# Altium PCB 58.13.0094_400_Rev00.PcbDoc (part 2 of 3)
Units mil, origin at the board's own origin, x right, y up, seen from the top; angles counter-clockwise.
Board outline 3149.45 x 3937.01 mil, 2 copper layers (Top Layer, Bottom Layer), stack 64.392 mil thick; 109 components, 100 nets, 482 pads, 698 vias.
Unrouted connection lines stored in the file: 3.
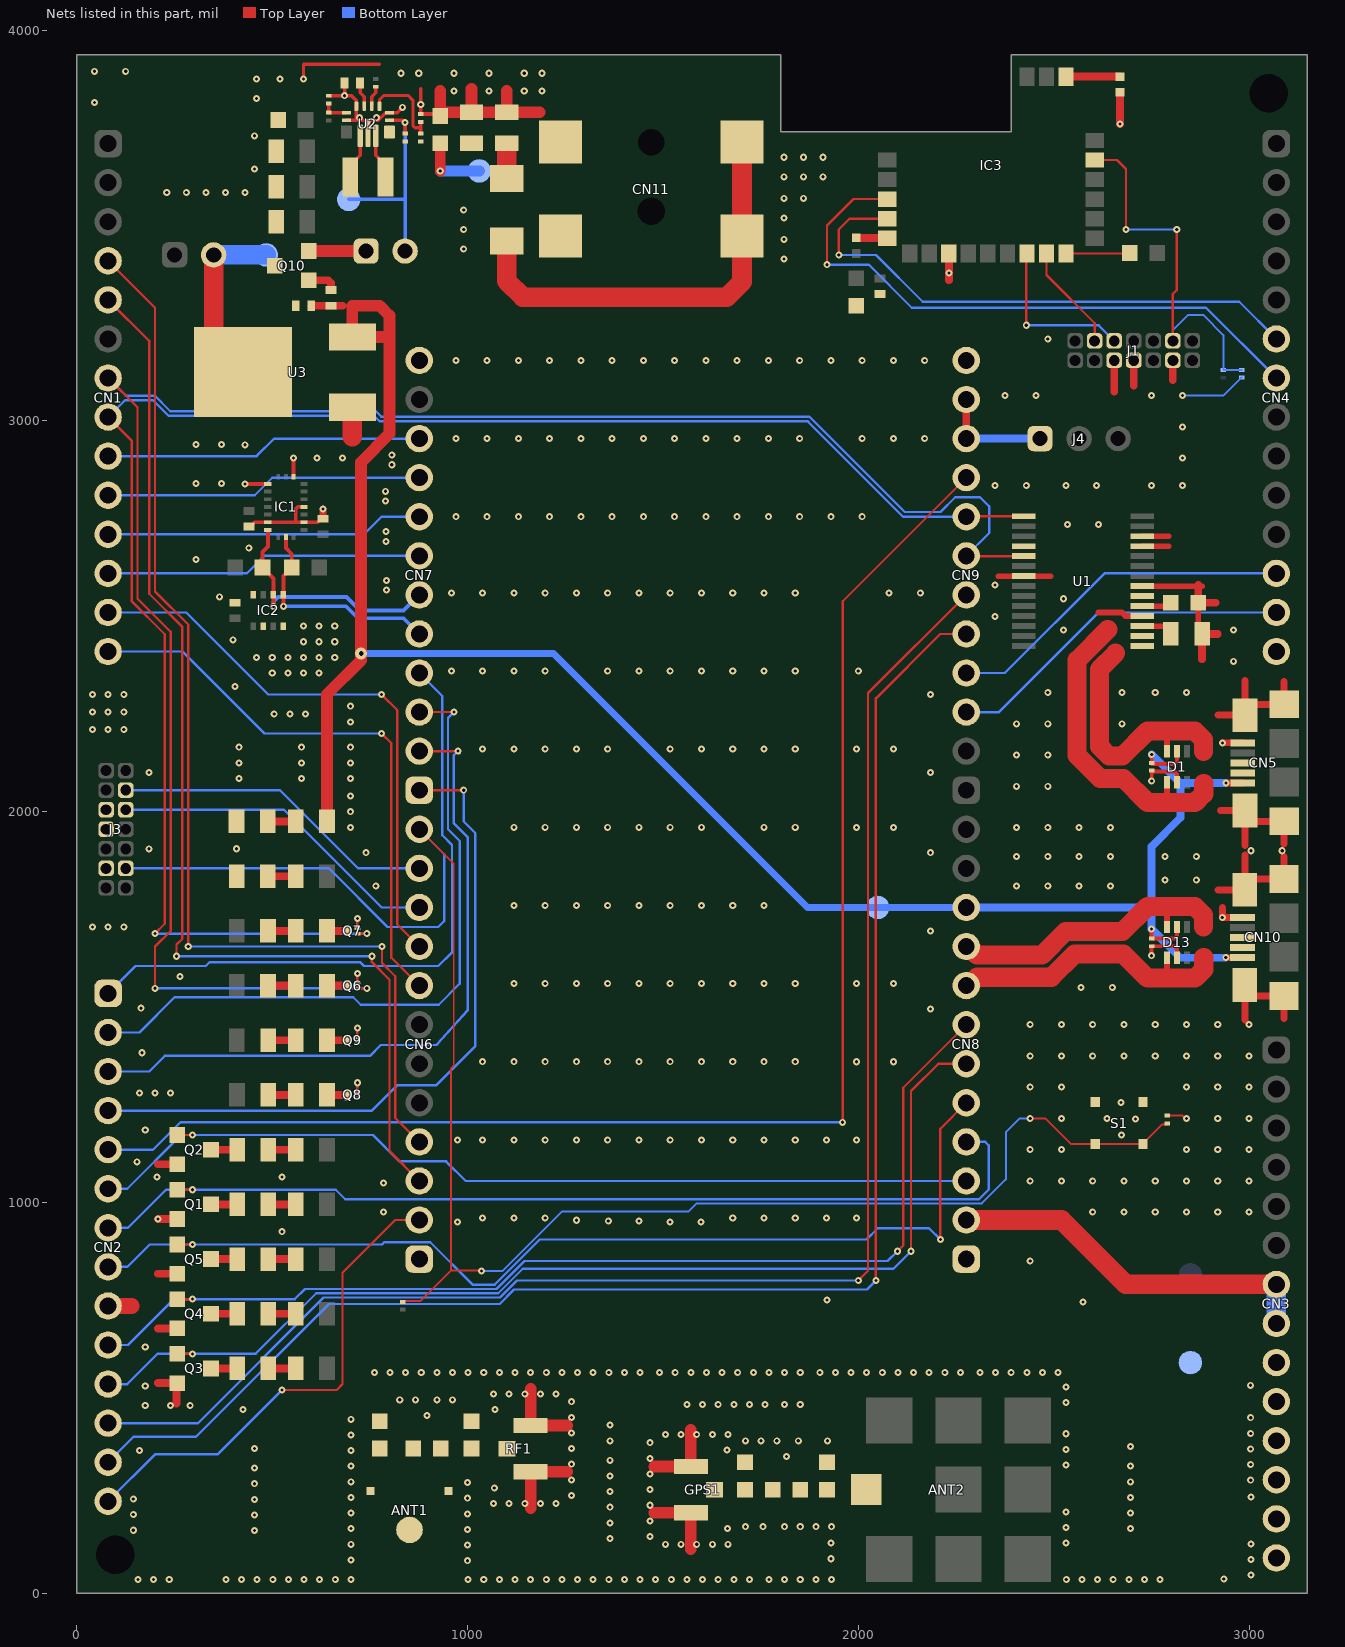
[diagram p2: the nets of this part, all layers, seen from the top]

## Via types
v1: diameter 18, hole 8, Top Layer to Bottom Layer, tented both sides, 692 vias
v2: diameter 30, hole 12, Top Layer to Bottom Layer, tented both sides, 3 vias
v3: diameter 40, hole 20, Top Layer to Bottom Layer, tented both sides, 2 vias
v4: diameter 39, hole 12, Top Layer to Bottom Layer, tented both sides, 1 vias

## Nets (pads, with @x,y where several pads share a name; then routed paths per layer and width w, separated by ;. In a path a pad name is that pad's centre, name@x,y a point inside that pad or via, vN(x,y) a via of type N, cw(c..) or ccw(c..) an arc to the next point about the centre after c; other vN are vias at no path point) (continued)
GND: ANT1.2 ANT1.3 C1.1 C2.1 C3.1 C4.1 C5.1 C7.1 C8.1 C9.1 C10.1 C11.1 C12.1 C13.1 C14.1 C15.1 C16.1 C17.1 C18.1 C19.1 C20.1 C21.1 C22.2 C23.1 C24.1 CN2.9 CN3.9 CN3.10 CN3.11 CN3.12 CN3.13 CN3.14 CN4.14 CN5.5 CN5.6 CN5.7 CN5.8 CN5.9 CN6.1 CN7.12 CN8.1 CN9.12 CN10.5 CN10.6 CN10.7 CN10.8 CN10.9 CN11.2 CN11.3 D1.2 D2.K D3.K D13.2 GPS1.2 GPS1.3 IC1.4 IC1.6 IC1.12 IC1.17 IC1.20 IC2.1 IC2.5 IC2.7 IC3.8 J1.5 J1.7 J1.11 J3.5 J3.7 J3.11 L1.2 Q1.2 Q2.2 Q3.2 Q4.2 Q5.2 Q6.2 Q7.2 Q8.2 Q9.2 Q10.3 R5.1 R20.2 R21.1 RF1.2 RF1.3 S1.1 TP_GND.1 U1.7 U1.18 U1.21 U1.25 U1.26 U2.4 U2.6 U2.10 U2.15 U3.1 | length 5664.5
  Top Layer w5: C24.1@2791.27,1222.12 2829.36,1222.12 2836.48,1215 v1(2840,1215)
  Top Layer w6: Q8.2@717.8,1282 v1(717.8,1306.2) ; Q9.2@717.8,1422 v1(717.8,1446.2) ; Q6.2@717.8,1562 v1(717.8,1586.2) ; Q7.2@717.8,1702 v1(717.8,1726.2)
  Top Layer w8: v1(580,3875) 580,3913 775,3913
  Top Layer w9: C2.1@440,2730 444,2730 454.63,2740.63 IC1.12@488.74,2740.63 560,2740.63 ; IC1.4@581.26,2780 565.27,2780 560,2774.73 560,2740.63 ; C3.1@630,2750 626,2750 616.63,2740.63 IC1.6@581.26,2740.63 560,2740.63 ; R20.2@645,3832.52 702.99,3832.52 715.25,3820.26 715.25,3806.01 U2.4@715.47,3805.79 v1@715.47,3776.26 ; v1(685,3832.52) C21.1@685,3865.51 ; U2.6@689.88,3769.37 770.67,3769.37 790.36,3789.06 U2.15@800.12,3789.06 819.49,3789.06 v1(833.29,3802.86)
  Top Layer w10: v1(430,2839.06) IC1.17@488.74,2839.06 ; IC1.20@554.69,2857.26 v1(554.69,2905) ; R21.1@880,3785.51 C20.1@925,3785.51 ; R21.1@880.01,3787.5 v1@880.01,3810.38 ; v1(880.06,3810.38) 880.06,3850.06 ; v1(2750.59,1631.43) C13.1@2750.6,1655.62 2809.59,1655.63 2815.59,1649.63 D13.2@2815.59,1626.26 ; v1(2751,2078.38) 2751,2102.58 2810,2102.58 2816,2096.58 D1.2@2816,2073.21
  Top Layer w14: 2357.8,2602.8 U1.7@2423.43,2602.8 2492,2602.8 ; U1.21@2726.57,2577.21 2870,2577.21 2880,2577.21 ; U1.25@2726.57,2679.57 2795.15,2679.57 ; U1.26@2726.57,2705.16 2795.15,2705.16 ; C12.1@2870,2465 R5.1@2870,2535 R5.1@2870,2538.57
  Top Layer w15: 2615,2510 2675,2510 2684.57,2500.43 U1.18@2726.57,2500.43
  Top Layer w17: v1(2931.6,1729.23) CN10.5@2983.3,1729.23 ; v1(2932,2176.18) CN5.5@2983.7,2176.18
  Top Layer w18: C3.1@630,2750 v1(630,2775) ; 2920.6,1800.1 CN10.6@2989.2,1800.1 CN10.6@2989.2,1827.66 ; 2921,2247.05 CN5.6@2989.61,2247.05 CN5.6@2989.61,2274.61 ; 2927,2002.95 CN5.9@2989.61,2002.95 CN5.9@2989.61,1975.39 ; v1(2931.6,1729.23) 2931.6,1755 ; CN10.9@2988.6,1528.44 CN10.9@2989.2,1528.44 ; CN5.9@2989,1975.39 CN5.9@2989.61,1975.39 ; 2989.2,1466.86 CN10.9@2989.2,1528.44 ; CN10.9@2989.2,1556 CN10.9@2989.2,1528.44 ; 2989.2,1889.23 CN10.6@2989.2,1827.66 ; 2989.61,1913.81 CN5.9@2989.61,1975.39 ; 2989.61,2336.19 CN5.6@2989.61,2274.61 ; 3089.6,1470.3 CN10.8@3089.6,1528.44 CN10.9@2989.2,1528.44 ; 3089.6,1885.79 CN10.7@3089.6,1827.66 CN10.6@2989.2,1827.66 ; 3090,1917.26 CN5.8@3090,1975.39 CN5.9@2989.61,1975.39 ; 3090,2332.74 CN5.7@3090,2274.61 CN5.6@2989.61,2274.61
  Top Layer w20: 207.4,537.6 Q3.2@256.69,537.6 ; 207.4,677.6 Q4.2@256.69,677.6 ; 207.4,817.6 Q5.2@256.69,817.6 ; v1(207.4,957.6) Q1.2@256.69,957.6 ; 207.4,1097.6 Q2.2@256.69,1097.6 ; 255,485 Q3.2@255,535.91 ; 2231.73,3360 v1(2231.73,3378.43) IC3.8@2231.73,3428.43 ; 2655,3075 J1.5@2655,3155 ; v1(2669.81,3760.19) L1.2@2669.81,3841.38 ; 2705,3090 J1.7@2705,3155 ; 2805,3105 J1.11@2805,3155 ; R5.1@2870,2535 2915,2535 ; R5.1@2870,2538.57 2870,2577.21 2870,2580 ; 2880,2390 C12.1@2880,2455 2920,2455
  Top Layer w30: D3.K@408.58,1835.24 D3.K@408.82,1835 ; C20.1@930,3780.51 930,3845 ; C20.1@940,3790.51 C19.1@1010,3790.51 ; 1010,3850 C19.1@1010,3790.51 ; 1100,3845 C18.1@1100,3790.51 ; 1161.38,217.03 RF1.3@1161.38,310.87 1255.21,310.87 ; 1161.38,522.81 RF1.2@1161.38,428.98 1255.21,428.98 ; 1184.49,3790.51 C18.1@1100,3790.51 ; 1477.54,205.87 GPS1.2@1571.38,205.87 1571.38,112.03 ; 1477.54,323.98 GPS1.3@1571.38,323.98 1571.38,417.81 ; C19.1@1010,3790.51 C18.1@1100,3790.51
  Top Layer w40: CN2.9@80,735 140,735
  Top Layer w50: 705,2959.58 U3.1@705,3035
  Bottom Layer w5: v1(2830,3065) 2933.99,3065 2979.79,3110.8 C23.1@2981.79,3110.8
  other v1: 156.38,34.92 196.38,34.92 236.38,34.92 381.38,34.92 421.38,34.92 461.38,34.92 501.38,34.92 541.38,34.92 581.38,34.92 621.38,34.92 661.38,34.92 701.38,34.92 1001.38,34.92 1041.38,34.92 1081.38,34.92 1121.38,34.92 1161.38,34.92 1201.38,34.92 1241.38,34.92 1281.38,34.92 1321.38,34.92 1361.38,34.92 1401.38,34.92 1441.38,34.92 1481.38,34.92 1521.38,34.92 1561.38,34.92 1601.38,34.92 1641.38,34.92 1681.38,34.92 1721.38,34.92 1771.38,34.92 1811.38,34.92 1851.38,34.92 1891.38,34.92 1931.38,34.92 2532.38,34.92 2572.38,34.92 2612.38,34.92 2652.38,34.92 2692.38,34.92 2732.38,34.92 2772.38,34.92 2935.38,35.92 3005.38,45.92 999.38,82.92 701.38,84.92 3005.38,85.92 1930.38,87.92 999.38,122.92 701.38,124.92 1506.38,124.92 1546.38,124.92 1586.38,124.92 1626.38,124.92 1666.38,124.92 3005.38,125.92 1930.38,127.92 2531.38,127.92 1364.38,139.92 1466.38,144.92 455,160 144.38,160.92 999.38,162.92 701.38,164.92 1665,165 2696.38,164.92 2531.38,167.92 1711.38,169.92 1756.38,169.92 1811.38,169.92 1851.38,169.92 1891.38,169.92 1931.38,169.92 1364.38,179.92 1466.38,184.92 455,200 144.38,200.92 999.38,202.92 701.38,204.92 2696.38,204.92 2531.38,207.92 1364.38,219.92 1466.38,224.92 1066.38,228.97 1106.38,228.97 1146.38,228.97 1186.38,228.97 1226.38,228.97 455,240 144.38,240.92 999.38,242.92 701.38,244.92 2696.38,244.92 3005.38,245.92 1266.38,249.92 1364.38,259.92 1466.38,264.92 1068.37,268.92 455,280 999.38,282.92 701.38,284.92 2696.38,284.92 3004.38,288.92 1266.38,289.92 1364.38,299.92 1466.38,304.92 455,320 701.38,324.92 2696.38,324.92 2531.38,327.92 3004.38,328.92 1266.38,329.92 1364.38,339.92 1466.38,344.92 1816.38,349.92 160,365 701.38,364.92 1664.38,365.92 2531.38,367.92 3004.38,368.92 455,370 1266.38,369.92 2696.38,374.92 1466.38,384.92 1364.38,389.92 1711.38,389.81 1751.38,389.81 1791.38,389.81 1846.38,389.81 1921.38,389.81 701.38,404.92 1506.38,405.86 1546.38,405.86 1586.38,405.86 1626.38,405.86 1666.38,405.86 2531.38,407.92 3004.38,408.92 1266.38,409.92 1364.38,429.92 701.38,444.92 3004.38,448.92 1266.38,449.92 896.38,454.92 425,470 1070,470 175,480 240,480 290,480 1561.38,482.92 1601.38,482.92 1641.38,482.92 1681.38,482.92 1721.38,482.92 1761.38,482.92 1811.38,482.92 1851.38,482.92 2531.38,487.92 1266.38,489.92 826.38,494.81 866.38,494.81 921.38,494.81 961.38,494.81 1066.38,509.92 1106.38,509.92 1146.38,509.92 1186.38,509.92 1226.38,509.92 2531.38,527.92 175,530 3003.38,531.92 761.38,564.92 801.38,564.92 841.38,564.92 881.38,564.92 921.38,564.92 961.38,564.92 1001.38,564.92 1041.38,564.92 1081.38,564.92 1121.38,564.92 1161.38,564.92 1201.38,564.92 1241.38,564.92 1281.38,564.92 1321.38,564.92 1361.38,564.92 1401.38,564.92 1441.38,564.92 1491.38,564.92 1531.38,564.92 1571.38,564.92 1611.38,564.92 1651.38,564.92 1691.38,564.92 1731.38,564.92 1771.38,564.92 1811.38,564.92 1851.38,564.92 1901.38,564.92 1941.38,564.92 1981.38,564.92 2021.38,564.92 2061.38,564.92 2101.38,564.92 2141.38,564.92 2181.38,564.92 2221.38,564.92 2261.38,564.92 2311.38,564.92 2351.38,564.92 2391.38,564.92 2431.38,564.92 2471.38,564.92 2511.38,564.92 175,630 2575,745 1920,750 2440,850 525,925 973.92,949.83 1518.08,950.2 1597.1,950.2 1360.04,952.28 1439.06,952.28 1278.94,954.36 1038.62,960.08 1118.62,960.08 1198.62,960.08 1678.62,960.08 1758.62,960.08 1838.62,960.08 1918.62,960.08 1995,960 785,975 2600,975 2680,975 2760,975 2840,975 2920,975 3000,975 785,1050 2440,1055 2520,1055 2600,1055 2680,1055 2760,1055 2840,1055 2920,1055 3000,1055 205,1065 525,1065 154,1104 2440,1135 2520,1135 2840,1135 2920,1135 3000,1135 973.92,1160.08 1038.62,1160.08 1118.62,1160.08 1198.62,1160.08 1278.62,1160.08 1358.62,1160.08 1438.62,1160.08 1518.62,1160.08 1598.62,1160.08 1678.62,1160.08 1758.62,1160.08 1838.62,1160.08 1918.62,1160.08 1995,1160 2673.65,1172.78 175,1185 2709.48,1213.28 2520,1215 2636.27,1214.84 2920,1215 3000,1215 2672.1,1255.34 160,1280 200,1280 240,1280 2440,1295 2520,1295 2840,1295 2920,1295 3000,1295 1038.62,1360.08 1118.62,1360.08 1198.62,1360.08 1278.62,1360.08 1358.62,1360.08 1438.62,1360.08 1518.62,1360.08 1598.62,1360.08 1678.62,1360.08 1758.62,1360.08 1838.62,1360.08 1995,1360 2090,1360 2440,1375 2520,1375 2600,1375 2680,1375 2760,1375 2840,1375 2920,1375 3000,1375 167,1383 2440,1455 2520,1455 2600,1455 2680,1455 2760,1455 2840,1455 2920,1455 3000,1455 2185,1495 164,1497 2570,1550 2650,1550 1118.62,1560.08 1198.62,1560.08 1278.62,1560.08 1358.62,1560.08 1438.62,1560.08 1518.62,1560.08 1598.62,1560.08 1678.62,1560.08 1758.62,1560.08 1838.62,1560.08 1995,1560 2090,1560 264,1578 2185,1695 40,1705 80,1705 120,1705 1118.62,1760.08 1198.62,1760.08 1278.62,1760.08 1358.62,1760.08 1438.62,1760.08 1518.62,1760.08 1598.62,1760.08 1678.62,1760.08 1758.62,1760.08 765,1810 2405,1810 2485,1810 2565,1810 2645,1810 2785,1825 2865,1825 2405,1885 2485,1885 2565,1885 2645,1885 2785,1885 2865,1885 740,1895 2185,1895 3005,1900 3085,1900 185,1905 408.58,1905.12 700,1960 1118.62,1960.08 1198.62,1960.08 1278.62,1960.08 1358.62,1960.08 1438.62,1960.08 1518.62,1960.08 1598.62,1960.08 1758.62,1960.08 1838.62,1960.08 1995,1960 2090,1960 2405,1960 2485,1960 2565,1960 2645,1960 700,2000 700,2040 2405,2065 2485,2065 415,2085 575,2085 700,2085 185,2100 2185,2100 415,2125 575,2125 700,2125 2405,2145 2485,2145 1038.62,2160.08 1118.62,2160.08 1198.62,2160.08 1278.62,2160.08 1358.62,2160.08 1518.62,2160.08 1598.62,2160.08 1678.62,2160.08 1758.62,2160.08 1838.62,2160.08 1995,2160 2090,2160 415,2165 575,2165 700,2165 40,2210 80,2210 120,2210 2405,2225 2485,2225 2675,2225 700,2230 505,2250 545,2250 585,2250 40,2255 80,2255 120,2255 700,2270 40,2300 80,2300 120,2300 2185,2300 2485,2305 2675,2305 2760,2305 2840,2305 405,2320 500,2355 540,2355 580,2355 620,2355 958.62,2360.08 1038.62,2360.08 1118.62,2360.08 1198.62,2360.08 1358.62,2360.08 1438.62,2360.08 1518.62,2360.08 1598.62,2360.08 1678.62,2360.08 1758.62,2360.08 1838.62,2360.08 2000,2360 2960,2385 460,2395 500,2395 540,2395 580,2395 620,2395 660,2395 580,2435 620,2435 660,2435 400,2440 2525,2465 2960,2465 580,2475 620,2475 660,2475 2350,2500 2525,2545 365,2550 958.62,2560.08 1038.62,2560.08 1118.62,2560.08 1198.62,2560.08 1278.62,2560.08 1358.62,2560.08 1438.62,2560.08 1518.62,2560.08 1598.62,2560.08 1678.62,2560.08 1758.62,2560.08 1838.62,2560.08 2078.62,2560.08 2158.62,2560.08 792,2567 2350,2580 792,2592 305,2645 440,2675 791,2692 791,2717 2535,2735 2615,2735 970,2755 1050,2755 1130,2755 1210,2755 1290,2755 1370,2755 1450,2755 1530,2755 1610,2755 1690,2755 1770,2755 1850,2755 1930,2755 2010,2755 790,2795 790,2820 2350,2835 2430,2835 2531.43,2835 2610,2835 2750,2835 2830,2835 305,2840 370,2840 806,2888 615,2905 680,2905 2830,2905 806,2913 430,2939.06 305,2940 370,2940 970,2955 1050,2955 1130,2955 1210,2955 1290,2955 1370,2955 1450,2955 1530,2955 1610,2955 1690,2955 1770,2955 1850,2955 2010,2955 2090,2955 2170,2955 2830,2985 2375,3065 2455,3065 2750,3065 970,3155 1050,3155 1130,3155 1210,3155 1290,3155 1370,3155 1450,3155 1530,3155 1610,3155 1690,3155 1770,3155 1850,3155 1930,3155 2010,3155 2090,3155 2170,3155 2485,3210 1810,3415 990,3440 1810,3465 990,3490 1810,3520 990,3540 1810,3570 1860,3570 230,3585 280,3585 330,3585 380,3585 430,3585 1810,3625 1860,3625 1910,3625 455,3645 1810,3675 1860,3675 1910,3675 455,3730 723.35,3776.26 766.66,3776.26 45,3815 460,3825 965,3845 1055,3845 1145,3845 1190,3845 460,3875 520,3875 830,3890 875,3890 965,3890 1055,3890 1145,3890 1190,3890 45,3895 125,3895
I2C1_CLK: CN1.13 CN6.9 | length 1472
  Top Layer w6: v1(780,2300) 820,2260 820,1711.3 CN6.9@876.38,1654.92
  Bottom Layer w6: CN1.13@80,2510 280,2510 490,2300 v1(780,2300)
I2C1_DAT: CN1.14 CN6.8 | length 1472
  Top Layer w6: v1(780,2200) 805,2175 805,1626.3 CN6.8@876.38,1554.92
  Bottom Layer w6: CN1.14@80,2410 270,2410 480,2200 v1(780,2200)
I2C2_CLK: CN4.7 IC3.3 | length 1552.5
  Top Layer w6: v1(1920,3400) 1920,3500 1987.99,3567.99 IC3.3@2074.25,3567.99
  Bottom Layer w6: v1(1920,3400) 2027,3400 2137,3290 2890,3290 CN4.7@3070,3110
I2C2_DAT: CN4.6 IC3.4 | length 1409.9
  Top Layer w6: v1(1950,3425) 1950,3490 1977.99,3517.99 IC3.4@2074.25,3517.99
  Bottom Layer w6: v1(1950,3425) 2045,3425 2165,3305 2975,3305 CN4.6@3070,3210
LED1: CN2.11 CN8.6 Q3.1 | length 2815.5
  Top Layer w6: Q3.1@256.69,612.4 v1(295.98,612.4) ; v1(2135,875) 2135,1285 2204.92,1354.92 CN8.6@2276.38,1354.92
  Bottom Layer w6: CN2.11@80,535 129,535 206.4,612.4 v1(295.98,612.4) 457.4,612.4 612.5,767.5 1078.46,767.5 1140.96,830 2090,830 v1(2135,875)
LED2: CN2.10 CN8.7 Q4.1 | length 2811.7
  Top Layer w6: Q4.1@256.69,752.4 v1(295.98,752.4) ; v1(2100,875) 2115,890 2115,1293.54 CN8.7@2276.38,1454.92
  Bottom Layer w6: CN2.10@80,635 131,635 248.4,752.4 v1(295.98,752.4) 557.4,752.4 583.5,778.5 1073.91,778.5 1145.41,850 2075,850 v1(2100,875)
LED3: CN2.8 CN8.5 Q5.1 | length 2689.5
  Top Layer w6: Q5.1@256.69,892.4 v1(295.98,892.4) ; v1(2210,905) 2210,1188.54 CN8.5@2276.38,1254.92
  Bottom Layer w6: CN2.8@80,835 129,835 186.4,892.4 v1(295.98,892.4) 780.66,892.4 786.18,897.92 904.44,897.92 1012.86,789.5 1069.35,789.5 1184.85,905 2021,905 2050,934 2181,934 v1(2210,905)
LED4: CN2.7 CN8.4 Q1.1 | length 2528.4
  Top Layer w6: Q1.1@256.69,1032.4 v1(295.98,1032.4)
  Bottom Layer w6: CN2.7@80,935 131,935 228.4,1032.4 v1(295.98,1032.4) 662.6,1032.4 687.08,1007.92 2308.73,1007.92 2334,1033.19 2334,1146 2325.08,1154.92 CN8.4@2276.38,1154.92
LED5: CN2.6 CN8.3 Q2.1 | length 2341.2
  Top Layer w6: Q2.1@256.69,1172.4 v1(295.98,1172.4)
  Bottom Layer w6: CN2.6@80,1035 129,1035 266.4,1172.4 v1(295.98,1172.4) 757.6,1172.4 825,1105 945,1105 995.08,1054.92 CN8.3@2276.38,1054.92
MCU_BOOT: CN1.4 CN6.4 | length 2875.5
  Top Layer w6: CN1.4@80,3410 200,3290 200,2563.79 285,2478.79 v1(285,1655) ; v1(781,1655) 781,1613 815,1579 815,1216.3 CN6.4@876.38,1154.92
  Bottom Layer w6: v1(285,1655) v1(781,1655)
MCU_NRST: C24.2 CN6.12 J3.12 R25.2 S1.2 | length 4586.7
  Top Layer w5: R25.2@834.35,745.6 836.85,748.1 879.89,748.1 957.42,825.63 ; CN6.12@876.38,1954.92 964.54,1866.76 964.54,1349.76 957.42,1342.63 957.42,825.63 ; v1(1035.2,824.24) 1033.81,825.63 957.42,825.63 ; v1(2440,1215) 2478.79,1215 2544.85,1148.94 S1.2@2606.35,1148.94 S1.2@2728.4,1148.94 2728.4,1149.93 2778.09,1199.62 2788.77,1199.62 C24.2@2791.27,1202.12
  Bottom Layer w5: v1(1035.2,824.24) 1089.24,824.24 1241.58,976.58 1565.26,976.58 1586.1,997.42 2316.27,997.42 2377.77,1058.92 2377.77,1179.85 2412.92,1215 v1(2440,1215)
  Bottom Layer w6: J3.12@125,1855 645,1855 795,1705 925,1705 940,1720 940,1891.3 CN6.12@876.38,1954.92
MCU_PA15: CN2.1 CN7.4 | length 1681.3
  Bottom Layer w6: CN2.1@80,1535 150,1605 330,1605 340,1615 725,1615 735,1605 925,1605 960,1640 960,1915 935,1940 935,2296.3 CN7.4@876.38,2354.92
MCU_PB5: CN1.12 CN7.7 | length 815.1
  Bottom Layer w6: CN1.12@80,2610 435,2610 480,2655 876.3,2655 CN7.7@876.38,2654.92
MCU_PB8: CN1.5 CN6.3 | length 2890.3
  Top Layer w6: CN1.5@80,3310 185,3205 185,2557.57 270,2472.57 270,1675 255,1660 v1(255,1630) ; v1(755,1630) 755,1615 800,1570 800,1131.3 CN6.3@876.38,1054.92
  Bottom Layer w6: v1(255,1630) v1(755,1630)
MCU_PB9: CN2.14 CN6.2 | length 1261.6
  Top Layer w6: v1(524.92,519.92) 664.92,519.92 680,535 680,820 814.92,954.92 CN6.2@876.38,954.92
  Bottom Layer w6: CN2.14@80,235 200,355 360,355 v1(524.92,519.92) v1@525,520
MCU_PH0: CN2.13 CN9.5 | length 3947.3
  Top Layer w6: v1(2045,800) 2045,2290 2209.92,2454.92 CN9.5@2276.38,2454.92
  Bottom Layer w6: CN2.13@80,335 145,400 305,400 645,740 1082.07,740 1119.07,777 2022,777 v1(2045,800)
MCU_PH1: CN2.12 CN9.6 | length 3940.6
  Top Layer w6: v1(2000,800) 2025,825 2025,1174.64 2025,1883.91 2025,2303.54 CN9.6@2276.38,2554.92
  Bottom Layer w6: CN2.12@80,435 310,435 631.5,756.5 1083.02,756.5 1126.52,800 v1(2000,800)
MCU_STATUS: CN2.5 CN9.9 | length 3690
  Top Layer w6: v1(1960,1205) 1960,2538.54 CN9.9@2276.38,2854.92
  Bottom Layer w6: CN2.5@80,1135 195,1135 265,1205 v1(1960,1205)
MCU_SWCLK: CN6.10 J3.6 | length 855
  Bottom Layer w6: J3.6@125,2005 530,2005 780.08,1754.92 CN6.10@876.38,1754.92
MCU_SWDIO: CN6.11 J3.4 | length 834.3
  Bottom Layer w6: J3.4@125,2055 520,2055 720.08,1854.92 CN6.11@876.38,1854.92
MCU_VDDA: CN4.12 CN9.4 | length 899.3
  Bottom Layer w6: CN9.4@2276.38,2354.92 2374.92,2354.92 2630,2610 CN4.12@3070,2610
MCU_VREF+: CN4.13 CN9.3 | length 899.3
  Bottom Layer w6: CN9.3@2276.38,2254.92 2359.92,2254.92 2615,2510 CN4.13@3070,2510
NetANT1_1: ANT1.1 C8.2 R3.2
NetANT2_8: ANT2.8 C10.2 R4.2
NetC6_2: C6.2 IC3.14 | length 148.8
  Top Layer w6: IC3.14@2531.73,3428.62 2678.62,3428.62 C6.2@2680,3430
NetC7_2: C7.2 R3.1 RF1.1
NetC9_2: C9.2 GPS1.1 R4.1
NetC12_2: C12.2 U1.17 | length 94
  Top Layer w14: U1.17@2726.57,2474.84 2800.63,2474.84 C12.2@2800.63,2454.89
NetC21_2: C21.2 U2.3 | length 63.9
  Top Layer w9: C21.2@725,3865.51 725,3840 735.16,3829.84 U2.3@735.16,3805.79
NetC23_2: C23.2 IC3.19 J1.12 R24.2 | length 993.6
  Top Layer w6: IC3.19@2605.75,3667.99 2662.01,3667.99 2685,3645 v1(2685,3490) ; J1.12@2805,3205 2805,3325 2815,3335 v1(2815,3490)
  Bottom Layer w5: J1.12@2805,3205 2805,3231.75 2844.89,3271.65 2882.4,3271.65 2934.41,3219.64 R24.2@2934.41,3130.62 2934.5,3130.71 2981.7,3130.71 C23.2@2981.79,3130.8
  Bottom Layer w6: v1(2685,3490) v1(2815,3490)
NetCN5_2: CN5.2 D1.1 U1.16 | length 814.2
  Top Layer w15.75: 2790,2025.63 D1.1@2790,2075.63
  Top Layer w49: 2638.36,2466.24 2560.11,2387.99 2560.11,2144.01 2618.84,2085.28 2678.09,2085.28 2739.99,2023.38 2861.81,2023.38 2884.13,2045.7 2884.13,2072
NetCN5_3: CN5.3 D1.6 U1.15 | length 650.9
  Top Layer w15.75: D1.6@2790,2154.37 2790,2204.37 ; D1.6@2790.41,2151.95 D1.6@2790.41,2154.37
  Top Layer w49: 2658.57,2405.84 2617.11,2364.38 2617.11,2167.62 2642.45,2142.28 2675.91,2142.28 2740.25,2206.62 2861.27,2206.62 2883.6,2184.3 2883.6,2154.09
NetCN11_1: CN11.1 D14.A | length 1095.3
  Top Layer w50: D14.A@1100,3460.51 1100,3358.66 1141.73,3316.93 1663.39,3316.93 1702.28,3355.83 CN11.1@1702.28,3473.43 CN11.1@1702.28,3713.58
NetD1O_A: D1O.A R10.1 | length 70
  Top Layer w20: D1O.A@490,855 R10.1@560,855
NetD1O_K: D1O.K Q5.3 | length 66.7
  Top Layer w20: Q5.3@343.31,855 D1O.K@410,855
NetD2_A: D2.A R12.1 | length 70
  Top Layer w20: D2.A@488.58,1975 R12.1@558.58,1975
NetD3_A: D3.A R11.1 | length 70
  Top Layer w20: D3.A@489.05,1835 R11.1@559.05,1835
NetD4_K: D4.K R13.1 | length 70
  Top Layer w20: D4.K@489.29,1695 R13.1@559.29,1695
NetD5_K: D5.K R14.1 | length 70
  Top Layer w20: D5.K@489.29,1555 R14.1@559.29,1555
NetD6_K: D6.K R16.1 | length 70
  Top Layer w20: D6.K@489.76,1415 R16.1@559.76,1415
NetD7_K: D7.K R15.1 | length 70
  Top Layer w20: D7.K@489.76,1275 R15.1@559.76,1275
NetD8_A: D8.A R7.1 | length 70
  Top Layer w20: D8.A@490,1135 R7.1@560,1135
NetD8_K: D8.K Q2.3 | length 66.7
  Top Layer w20: Q2.3@343.31,1135 D8.K@410,1135
NetD9_A: D9.A R6.1 | length 70
  Top Layer w20: D9.A@490.24,995 R6.1@560.24,995
NetD9_K: D9.K Q1.3 | length 66.7
  Top Layer w20: Q1.3@343.31,995 D9.K@410,995
NetD11_A: D11.A R9.1 | length 70
  Top Layer w20: D11.A@490.24,715 R9.1@560.24,715
NetD11_K: D11.K Q4.3 | length 66.7
  Top Layer w20: Q4.3@343.31,715 D11.K@410,715
NetD12_A: D12.A R8.1 | length 70
  Top Layer w20: D12.A@490.24,575 R8.1@560.24,575
NetD12_K: D12.K Q3.3 | length 66.7
  Top Layer w20: Q3.3@343.31,575 D12.K@410,575
NetIC3_5: IC3.5 L2.2 | length 79.3
  Top Layer w20: L2.2@1995,3467.99 IC3.5@2074.25,3467.99
NetIC3_12: IC3.12 J1.6 | length 425.9
  Top Layer w6: v1(2430,3245) 2430,3426.89 IC3.12@2431.73,3428.62
  Bottom Layer w6: v1(2430,3245) 2615,3245 J1.6@2655,3205
NetIC3_13: IC3.13 J1.4 | length 274.7
  Top Layer w6: IC3.13@2481.73,3428.62 2481.73,3373.27 2605,3250 J1.4@2605,3205
NetIC3_21: IC3.21 L1.1 | length 138.3
  Top Layer w20: IC3.21@2531.73,3881.38 L1.1@2670,3881.38
NetJ5_2: J5.2 TP_3V3_USB.1 U3.2 | length 435
  Top Layer w50: U3.2@350,3125 J5.2@350,3425
  Bottom Layer w50: J5.2@350,3425 TP_3V3_USB.1@485,3425
NetJ6_1: J6.1 Q10.2 | length 146.7
  Top Layer w30: Q10.2@593.31,3435 J6.1@740,3435
NetJ6_2: J6.2 R19.2 TP_EN_PW.1 U2.14 | length 543.7
  Top Layer w9: U2.14@800.12,3769.37 834.14,3769.37 v1(840,3763.51) R19.2@840,3735.51
  Bottom Layer w9: TP_EN_PW.1@696,3567 838,3567 840,3565 ; J6.2@840,3435 840,3565 ; v1(840,3763.51) 840,3565
NetL3_1: L3.1 U2.11 | length 115.5
  Top Layer w9: U2.11@764.69,3730 764.69,3680.31 790,3655 L3.1@790,3625
NetL3_2: L3.2 U2.9 | length 115.5
  Top Layer w9: L3.2@700,3625 700,3655 725.31,3680.31 U2.9@725.31,3730
NetQ6_3: Q6.3 R14.2 | length 50
  Top Layer w20: R14.2@640,1555 Q6.3@690,1555
NetQ7_3: Q7.3 R13.2 | length 50
  Top Layer w20: R13.2@640,1695 Q7.3@690,1695
NetQ8_3: Q8.3 R15.2 | length 102
  Top Layer w10: R15.2@640,1275 Q8.3@691.97,1275
  Top Layer w20: R15.2@640,1275 Q8.3@690,1275
NetQ9_3: Q9.3 R16.2 | length 50
  Top Layer w20: R16.2@640,1415 Q9.3@690,1415
NetQ10_1: Q10.1 R23.2 | length 77.6
  Top Layer w20: Q10.1@593.31,3360.2 642.76,3360.2 650,3352.95 R23.2@650,3335
NetR5_2: R5.2 U1.19 | length 77.1
  Top Layer w14: U1.19@2726.57,2526.02 2791.02,2526.02 R5.2@2800,2535
NetR17_1: R17.1 R20.1 U2.5 | length 68.3
  Top Layer w9: R20.1@645,3812.52 R17.1@645,3789.06 U2.5@689.88,3789.06
NetR18_2: R18.2 R21.2 U2.1@774.53,3805.79 | length 228.8
  Top Layer w8: U2.1@774.53,3805.79 774.53,3822.53 785,3833 848,3833 860,3821 860,3756 865.49,3750.51 880,3750.51
  Top Layer w9: R18.2@880,3735.51 880,3750.51 R21.2@880,3765.51
NetR22_1: R22.1 U2.2 | length 53.9
  Top Layer w8: U2.2@754.84,3805.79 754.84,3829.84 765,3840 R22.1@765,3855.51
SCL_Sensor: CN7.5 IC1.9 IC2.4 R2.2 | length 569.5
  Top Layer w10: v1(528.39,2525.71) IC2.4@528.39,2555.35 528.39,2603.39 R2.2@550,2625 550,2660 535,2675 IC1.9@535,2702.74
  Bottom Layer w10: v1(528.39,2525.71) 689.29,2525.71 720,2495 836.3,2495 CN7.5@876.38,2454.92
SDA_Sensor: CN7.6 IC1.11 IC2.3 R1.2 | length 636.4
  Top Layer w10: IC1.11@488.74,2720.95 488.74,2678.74 475,2665 R1.2@475,2625 502.8,2597.2 IC2.3@502.8,2555.35 v1(502.8,2525.71)
  Bottom Layer w10: v1@504.33,2527.24 v1(502.8,2525.71) 502.8,2537.8 515,2550 690,2550 725,2515 836.46,2515 CN7.6@876.38,2554.92
SPI1_MISO: CN1.10 CN7.9 | length 815
  Bottom Layer w6: CN1.10@80,2810 455,2810 499.92,2854.92 CN7.9@876.38,2854.92
SPI1_MOSI: CN1.11 CN7.8 | length 815
  Bottom Layer w6: CN1.11@80,2710 735,2710 779.92,2754.92 CN7.8@876.38,2754.92
SPI1_SCK: CN1.9 CN7.10 | length 815
  Bottom Layer w6: CN1.9@80,2910 460,2910 504.92,2954.92 CN7.10@876.38,2954.92
SPI2_MISO: CN2.3 CN7.2 | length 1775.5
  Top Layer w6: CN7.2@876.38,2154.92 876.46,2155 v1(975,2155)
  Bottom Layer w6: CN2.3@80,1335 185,1335 225,1375 750,1375 777.82,1402.82 920.2,1402.82 923.19,1405.81 1000,1491.43 1000,1935 965,1970 965,2145 v1(975,2155) v1@980,2150
SPI2_MOSI: CN2.4 CN7.1 | length 1789.4
  Top Layer w6: CN7.1@876.38,2054.92 876.46,2055 v1(990,2055)
  Bottom Layer w6: CN2.4@80,1235 755,1235 819.46,1299.46 919.46,1299.46 1020,1400 1020,1945 990,1975 v1(990,2055)
SPI2_SCK: CN2.2 CN7.3 | length 1769.8
  Top Layer w6: CN7.3@876.38,2254.92 876.46,2255 v1(965,2255)
  Bottom Layer w6: CN2.2@80,1435 160,1435 250,1525 707.3,1525 726.3,1506 926,1506 980,1560 980,1925 950,1955 950,2240 v1(965,2255)
USART2_RX: CN1.8 CN9.8 Q7.1 U1.1 | length 4441.9
  Top Layer w6: CN1.8@80,3010 140,2950 140,2538.93 225,2453.93 225,1713 v1(200,1688) ; Q7.1@717.8,1688 v1(742,1688) ; CN9.8@2277.8,2756.34 U1.1@2423.43,2756.34
  Bottom Layer w6: CN1.8@80,3010 123,3053 195,3053 235,3013 761,3013 775,2999 1870.44,2999 1872.38,2997.07 1873,2996.44 2114.52,2754.92 CN9.8@2276.38,2754.92 ; v1(200,1688) v1(742,1688)
USART2_TX: CN1.7 CN9.7 Q6.1 U1.5 | length 4931.8
  Top Layer w6: CN1.7@80,3110 155,3035 155,2545.15 240,2460.15 240,1695 200,1655 v1(200,1548) ; Q6.1@717.8,1548 v1(742,1548) ; CN9.7@2276.38,2654.92 2277.32,2653.98 U1.5@2423.43,2653.98
  Bottom Layer w6: CN1.7@80,3110 125,3065 199.14,3065 239.14,3025 765.38,3025 779.38,3011 1874,3011 1875,3011 2119,2767 2210,2767 2248,2805 2311.38,2805 2335,2781.38 2335,2713.54 CN9.7@2276.38,2654.92 ; v1(200,1548) v1(742,1548)
USB_D_N: CN8.8 CN10.2 D13.1 | length 757.5
  Top Layer w15.75: 2790,1576.26 D13.1@2790,1626.26
  Top Layer w40: CN8.8@2276.38,1554.92 2282.06,1554.92 CN8.8@2283.14,1554.92
  Top Layer w49: CN8.8@2282.06,1554.92 2303.56,1576.42 2494.08,1576.42 2553.57,1635.91 2678.09,1635.91 2739.99,1574.01 2861.81,1574.01 2884.13,1596.33 2884.13,1626.54
USB_D_P: CN8.9 CN10.3 D13.6 | length 758
  Top Layer w15.75: D13.6@2790,1705 2790,1755
  Top Layer w40: CN8.9@2276.38,1654.92 2282.06,1654.92 CN8.9@2283.14,1654.92
  Top Layer w49: CN8.9@2282.06,1654.92 2303.56,1633.42 2470.47,1633.42 2529.96,1692.91 2675.91,1692.91 2740.25,1757.25 2861.27,1757.25 2883.6,1734.93 2883.6,1704.72
V_GNSS: CN3.7 CN3.8 CN8.2 | length 961.9
  Top Layer w50: CN8.2@2276.38,954.92 2520.08,954.92 2685,790 CN3.7@3070,790
  Bottom Layer w50: CN3.8@3070,690 CN3.7@3070,790
VIN: U1.4 U1.20
VIN_EXT: C18.2 C19.2 C20.2 D14.K R18.1 R19.1 TP_VEXT.1 U2.12 U2.13 | length 250.8
  Top Layer w28: v1(930,3640) C20.2@930,3710.51
  Top Layer w50: D14.K@1100,3620.51 C18.2@1100,3700.79
  Bottom Layer w28: v1(930,3640) TP_VEXT.1@1030,3640
VIN_PCIC: CN9.10 CN9.11 J4.1 | length 288.7
  Top Layer w20: CN9.10@2276.38,2954.92 CN9.11@2276.38,3054.92
  Bottom Layer w20: CN9.10@2276.38,2954.92 2276.46,2955 J4.1@2465,2955
VUSB: C11.2 C13.2 C22.1 CN5.1 CN8.10 CN10.1 D1.5 D13.5 R12.2 R23.1 TP_VUSB.1 U3.3 | length 5160.8
  Top Layer w10: v1(2750.59,1699.83) C13.2@2750.6,1675.62 2809.73,1675.63 2815.59,1681.49 D13.5@2815.59,1705 ; v1(2751,2146.78) 2751,2125 2751,2122.58 2810.14,2122.58 2816,2128.44 D1.5@2816,2151.95 ; CN10.1@2967.84,1626.87 CN10.1@2968.3,1626.41 ; CN5.1@2968.24,2073.82 CN5.1@2968.7,2073.36
  Top Layer w17: v1(2940.6,1626.41) CN10.1@2968.3,1626.41 ; v1(2941,2073.36) 2968.7,2073.36 CN5.1@2983.7,2073.36
  Top Layer w20: C22.1@600,3295 R23.1@650,3295 680,3295
  Top Layer w30: R12.2@640,1975 640,2300 727.42,2387.42 v2(727.42,2405) 727.42,2894.42 800,2967 800,3215 ; 800,3215 800,3270 775,3295 705,3295 U3.3@705,3215 800,3215
  Bottom Layer w18: v2(727.42,2405) 855.59,2405 ; 855.67,2404.92 897.09,2404.92 ; 897.17,2405 1220,2405 1870.08,1754.92 TP_VUSB.1@2050,1754.92 CN8.10@2276.38,1754.92
  Bottom Layer w20: CN8.10@2276.38,1754.92 2750.59,1754.92 ; v1(2751,2146.78) 2824.42,2073.36 ; v1(2940.6,1626.41) 2824.01,1626.41 v1(2750.59,1699.83) 2750.59,1754.92 ; v1(2941,2073.36) 2824.42,2073.36 ; 2750.59,1754.92 2750.59,1910.59 2824.42,1984.42 2824.42,2073.36
pads on no net: ANT2.1 ANT2.2 ANT2.3 ANT2.4 ANT2.5 ANT2.6 ANT2.7 ANT2.9 CN5.0 CN5.4 CN6.5 CN8.11 CN8.12 CN9.1 CN9.2 CN10.0 CN10.4 CN11.0 D1.3 D1.4 D13.3 D13.4 IC1.1 IC1.2 IC1.5 IC1.8 IC1.10 IC1.14 IC1.15 IC1.16 IC1.18 IC1.19 IC3.22 IC3.23 J1.1 J1.2 J1.8 J1.9 J1.10 J1.13 J1.14 J3.1 J3.2 J3.8 J3.9 J3.10 J3.13 J3.14 U1.2 U1.3 U1.6 U1.8 U1.9 U1.10 U1.11 U1.12 U1.13 U1.14 U1.22 U1.23 U1.24 U1.27 U1.28 U2.0 U2.1@725.31,3714.72 U2.1@725.31,3745.24 U2.1@745,3755 U2.1@764.69,3714.72 U2.1@764.69,3745.24
copper on no net: | length 50410.7
  Top Layer w6: 2.48,-204.92 670.28,-204.92 ; 2.48,-139.92 670.28,-139.92 ; 336.38,-269.92 336.38,-74.92 ; 5942.62,-3197.16 12950.5,-3197.16 ; 5942.62,-2960.94 12950.5,-2960.94 ; 5942.62,-2724.71 12950.5,-2724.71 ; 5942.62,-2488.49 12950.5,-2488.49 ; 2.48,-269.92 2.48,-74.92 670.28,-74.92 670.28,-269.92 2.48,-269.92
  Top Layer w10: 5942.62,-2488.49 5942.62,-3354.64 12950.5,-3354.64 12950.5,-2488.49 ; 7359.94,-3354.64 7359.94,-2488.49 ; 7832.38,-3354.64 7832.38,-2488.49 ; 8856.01,-3354.64 8856.01,-2488.49 ; 9879.63,-3354.64 9879.63,-2488.49 ; 10903.25,-3354.64 10903.25,-2488.49 ; 11926.87,-3354.64 11926.87,-2488.49
  Top Layer w30: v1(1952.38,442.08) 2079.22,442.08 ; 2079.22,87.75 2256.38,87.75 ; 2079.22,535.92 2079.22,442.08 ; 2255.38,440.92 2255.38,264.92 2256.38,264.92 ; 2256.38,535.92 2256.38,442.08 ; 2433.55,441.92 v1@2527.38,441.92 ; 2433.55,535.92 2433.55,442.08 2256.38,442.08 ; v1@2527.38,87.75 2256.38,87.75 ; 2527.38,264.92 2256.38,264.92 ; 2079.22,442.08 2256.38,442.08 ; 2256.38,87.75 2256.38,264.92
  Bottom Layer w6: 2.48,-204.92 670.28,-204.92 ; 2.48,-139.92 670.28,-139.92 ; 336.38,-269.92 336.38,-74.92 ; 2.48,-269.92 2.48,-74.92 670.28,-74.92 670.28,-269.92 2.48,-269.92
  other v1: 2531.38,87.92 2531.38,247.92 2531.38,287.92 2531.38,447.92

## Polygon pours and split planes (outlines as drawn)
GND on Top Layer "Top Layer-GND 4" (solid, remove dead copper, pour order 34): 690,855 820,985 820,2920 775,2965 20,2965 20,2925 20,1695 135,1580 135,495 620,495 690,565
GND on Top Layer "Top Layer-GND" (solid, remove dead copper, pour order 42): 909.92,904.92 935,930 935,3085 910,3110 2240,3110 2215,3085 2215,934.92 2245,904.92
GND on Top Layer "Top Layer-GND 1" (solid, remove dead copper, pour order 16): 990,470 990,425 720,425 720,20 135,20 135,505 215,505 675,505 700,530 700,860 749,909 990,909
GND on Top Layer "Top Layer-GND 2" (solid, remove dead copper, pour order 12): 945.38,301.65 1080,301.65 1080,272.3 1235,272.3 1235,470 1075,470 1075,429.13 1040,429.13 1040,470 1030,470 1030,420 990,420 990,905 2320,905 2355,940 2355,1510 2375,1530 2505,1530 2575,1600 2655,1600 2725,1530 2882,1530 2919,1567 3129.76,1567 3129.76,1450 3015,1450 3015,34.69 3000,19.69 2515,19.69 2515,524.92 1939.92,524.92 1925,510 1925,415 1940,400 1940,320 1655,320 1655,365 1500,365 1500,165 1655,165 1655,194.92 1965,194.92 1965,19.69 945,19.69 945,45
GND on Top Layer "Top Layer-GND 6" (solid, remove dead copper, pour order 28): 3130,2235 2980,2235 2980,2175 2925,2175 2925,2205.1 2880.72,2249.38 2723.58,2249.38 2668,2193.8 2661.94,2193.8 2660,2195.75 2660,2344.87 2710.13,2395 2905,2395 2915,2405 2915,2555 2900,2570 2780,2570 2780,2975 2747.5,3007.5 2677.5,3007.5 2645,3040 2645,3100 2660,3115 2855,3115 2870,3100 2870,2870 3000,2740 3000,2480 3020,2460 3110,2460 3130,2440
GND on Top Layer "Top Layer-GND 3" (solid, remove dead copper, pour order 36): 19,2965 249,2965 249,3595 144,3700 144,3916 18.69,3916
GND on Top Layer "Top Layer-GND 5" (solid, remove dead copper, pour order 30): 2675,2629.64 2600.36,2629.64 2520,2710 2485,2710 2475,2720 2475,2779.76 2464.76,2790 2350,2790 2335,2805 2335,3090 2320,3105 855,3105 840,3120 840,3210 880,3250 935,3250 960,3275 960,3495 959.99,3544.99 970,3555 1020,3555 1030,3545 1030,3355 1120,3265 1712,3265 1790,3343 1790,3690 1815,3715 1980,3715 1990,3705 1990,3685 1835,3530 1835,3335 1850,3320 1940,3320 1950,3310 1950,3260 1975,3260 1975,3315 2015,3315 2015,3260 2041,3260 2041,3335 2069,3335 2069,3300 2095,3300 2095,3335 2110,3350 2200.17,3350 2225,3374.83 2225,3380 2230.17,3380 2231.73,3378.43 2233.3,3380 2240,3380 2240,3370 2260,3350 2285,3350 2340,3295 2340,3150 2365,3125 2425,3125 2460,3160 2460,3320 2470,3330 2490,3330 2540,3280 2540,3258.9 2515,3233.9 2515,3035 2500,3020 2410,3020 2395,3005 2395,2910 2415,2890 2720,2890 2735,2905 2735,2995 2710,3020 2735,3020 2785,2970 2785,2775.01 2770.01,2790 2685,2790 2675,2780
GND on Top Layer "Top Layer-GND 7" (solid, remove dead copper, pour order 26): 2330,2620 2340,2630 2364,2630 2373,2621 2373,2397 2381,2389 2464,2389 2480,2405 2480,2638 2491,2649 2501,2649 2634,2516 2679,2516 2690,2505 2655,2505 2607.36,2505 2508.86,2406.5 2508.86,2130.74 2601.92,2037.68 2662.3,2037.68 2720.74,1979.24 2884.87,1979.24 2920.63,2015 3129.76,2015 3129.76,1790.1 2944.6,1790.1 2944.6,1730 2925,1730 2925,1750 2871,1804 2720,1804 2656.16,1740.16 2508.86,1740.16 2450.79,1682.09 2345.47,1682.09 2330,1697.56
GND on Bottom Layer "Bottom Layer-GND" (solid, remove dead copper, pour order 46): 19.69,3916 19.69,19.69 3129.76,19.69 3125,24.45 3125,3916.93 2411.42,3916.93 2411.42,3720 1781.5,3720 1781.5,3915.01

## Other copper
Top Layer:
  rectangle: 336.38,-139.92 670.28,-74.92
  region net NetCN5_2: 2757,2442 2630.64,2442 2611.42,2473.92 2628.13,2490.63 2658.96,2490.63 2692.58,2457 2757,2457
  region net NetCN5_3: 2983.39,2116.14 2883.9,2116.14 2859.1,2140.95 2859.09,2174.95 2894.1,2174.95 2935.19,2133.86 2983.39,2133.86
  region net NetCN5_2: 2983.39,2108.27 2884.44,2108.27 2859.63,2083.46 2859.63,2049.46 2894.63,2049.46 2935.72,2090.55 2983.39,2090.55
  region net USB_D_N: 2983.3,1661.32 2884.34,1661.32 2859.54,1636.51 2859.53,1602.51 2894.54,1602.51 2935.63,1643.6 2983.3,1643.6
  region net NetC9_2: 1610.71,245.08 1652.63,245.08 1662.87,234.84 1801.18,234.84 1801.18,294.84 1662.87,294.84 1652.48,284.45 1610.71,284.45
  region net NetC7_2: 1122.05,389.76 1080.12,389.76 1069.88,400 911,400 911,340 1069.88,340 1080.28,350.39 1122.05,350.39
  region net NetANT1_1: 821.38,400 881.38,400 881.38,161.65 821.38,161.65
  region net NetANT1_1: 755,340 755,400 881,400 881,340
  region net NetANT2_8: 2040.16,294.92 2040.16,234.92 1831.38,234.92 1831.38,294.92
  pour cut-out: 513.09,2834.88 513.09,2725.12 554.92,2725.12 554.92,2834.88
  region net GND: 763,3917 788,3892 788,3864 802,3850 855,3850 881,3824 882,3825 1168,3825 1175,3818 1175,3405 1305,3405 1305,3858 1246,3917
  region net GND: 712.95,3785.54 718,3785.54 787.75,3785.54 767.67,3765.46 692.86,3765.46
  region net NetCN5_3: 2757,2431 2649.14,2431 2618.87,2400.73 2618.87,2383.87 2671.09,2383.87 2703.22,2416 2757,2416
  region net USB_D_P: 2983.3,1669.19 2883.81,1669.19 2859,1694 2859,1728 2894,1728 2935.09,1686.91 2983.3,1686.91
  region net GND: 462,3917 445,3900 445,3615 435,3605 175,3605 160,3590 160,3510 175,3495 395,3495 410,3480 410,3295 424,3281 570,3281 570,3309 569,3310 486,3310 470,3326 470,3370 478,3378 525,3378 525,3418 477,3418 470,3425 470,3470 480,3480 530,3480 530,3540 485,3540 479.98,3545.02 479.98,3564.98 485,3570 530,3570 530,3630 485,3630 480,3635 480,3655 485,3660 530,3660 530,3720 485,3720 480,3725 480,3745 485.51,3750.51 535,3750.51 535,3790.51 484.49,3790.51 480,3795 480,3815 485,3820 595,3820 600,3825 600,3880 637,3917
  region net VUSB: 636,3305 636,3285 665,3285 670,3280 710.22,3280 710.22,3310 669,3310 664,3305
  region net 3V3: 689.88,3749.69 655,3749.69 655,3775 620,3775 620,3790.51 565,3790.51 565,3730 570,3730 570,3480 615,3480 615,3730 689.88,3730
  region net VIN_EXT: 786,3739.79 786,3714.51 810.51,3690 1100,3690 1100,3730.51 910,3730.51 900,3720.51 825.51,3720.51 825,3720 814,3731 814,3739.99
  text "TOP" at 5.28,-54.92 h35
  text "CONDUTOR" at 377.28,-188.92 h35
  text "CONDUCTOR" at 355.53,-256.42 h35
  text "EMISSAO INICIAL / FIRST ISSUE" at 6110.79,-3104.02 h51.18
  text "00" at 7557.64,-3104.02 h51.18
  text "D. Aguiar" at 8921.24,-3104.25 h51.18
  text "E. Rodrigues" at 9944.86,-3104.25 h51.18
  text "E. Rodrigues" at 10968.49,-3104.25 h51.18
  text "L. Degenhardt" at 11992.11,-3104.25 h51.18
  text "HISTORICO DA REVISAO / REVISION HISTORY" at 5979.29,-3304.8 h44.09
  text "REV." at 7530.08,-3304.8 h51.18
  text "DATA / DATE" at 8110.79,-3304.8 h51.18
  text "ELABORADO / ELABORATED" at 8882.44,-3304.8 h51.18
  text "VERIFICADO / CHECKED" at 9980.87,-3304.8 h51.18
  text "APROVADO / APPROVED" at 10984.8,-3304.8 h51.18
  text "QUALIDADE / QUALITY" at 12051.73,-3304.8 h51.18
  text "011" at 8176.38,-4570.08 h102.36
  text "58.13.0094_011_Rev00" at 9251.38,-4570.08 h102.36
  text "01/02" at 12426.38,-4570.08 h102.36
Bottom Layer:
  rectangle: 336.38,-140.08 670.28,-74.92
  text "BOTTOM" at 235.28,-54.92 h35
  text "CONDUTOR" at 635.72,-188.92 h35
  text "CONDUCTOR" at 648.8,-256.42 h35
  text "011" at 8176.38,-4570.08 h102.36
  text "58.13.0094_011_Rev00" at 9251.38,-4570.08 h102.36
  text "02/02" at 12426.38,-4570.08 h102.36

## Silkscreen, mask and mechanical layers (free items; w line width, h text height)
Top Overlay, Top Silk:
  lines w5: 5942.62,-3197.16 12950.5,-3197.16 ; 5942.62,-2960.94 12950.5,-2960.94 ; 5942.62,-2724.71 12950.5,-2724.71 ; 5942.62,-2488.49 12950.5,-2488.49
  lines w8: 493.31,215.24 572.05,152.24 650.79,215.24 ; 493.31,374.96 572.05,441.89 650.79,374.96
  lines w10: 5942.62,-2488.49 5942.62,-3354.64 12950.5,-3354.64 12950.5,-2488.49 ; 7359.94,-3354.64 7359.94,-2488.49 ; 7832.38,-3354.64 7832.38,-2488.49 ; 8856.01,-3354.64 8856.01,-2488.49 ; 9879.63,-3354.64 9879.63,-2488.49 ; 10903.25,-3354.64 10903.25,-2488.49 ; 11926.87,-3354.64 11926.87,-2488.49
  text "1" at 96,3787 h30 r90
  text "1" at 3000,3720 h30
  text "1" at 1780,3465 h30
  text "1" at 760,3365 h30 r90
  text "1" at 265,3350 h30 r90
  text "12" at 853,3231 h30
  text "12" at 2256,3226 h30
  text "1" at 2502,3139 h30
  text "1" at 2480,2885 h30 r90
  text "1" at 80,2145 h30 r90
  text "1" at 2340,2025 h30
  text "1" at 790,2020 h30
  text "12" at 770,1941 h30
  text "12" at 2343.62,1925.08 h30
  text "1" at 139,1523 h30
  text "1" at 2989,1399 h30
  text "1" at 803,830 h30
  text "1" at 2340,825 h30
  text "PCI DEKVIT IOT  59.13.0094" at 925,640 h70
  text "(    )" at 2555,445 h110.24
  text "TOPSILK" at 5.28,-54.92 h35
  text "EMISSAO INICIAL / FIRST ISSUE" at 6110.79,-3104.02 h51.18
  text "00" at 7557.64,-3104.02 h51.18
  text "D. Aguiar" at 8921.24,-3104.25 h51.18
  text "E. Rodrigues" at 9944.86,-3104.25 h51.18
  text "E. Rodrigues" at 10968.49,-3104.25 h51.18
  text "L. Degenhardt" at 11992.11,-3104.25 h51.18
  text "HISTORICO DA REVISAO / REVISION HISTORY" at 5979.29,-3304.8 h44.09
  text "REV." at 7530.08,-3304.8 h51.18
  text "DATA / DATE" at 8110.79,-3304.8 h51.18
  text "ELABORADO / ELABORATED" at 8882.44,-3304.8 h51.18
  text "VERIFICADO / CHECKED" at 9980.87,-3304.8 h51.18
  text "APROVADO / APPROVED" at 10984.8,-3304.8 h51.18
  text "QUALIDADE / QUALITY" at 12051.73,-3304.8 h51.18
  text "040" at 8176.38,-4570.08 h102.36
  text "58.13.0094_040_Rev00" at 9251.38,-4570.08 h102.36
  text "01/02" at 12426.38,-4570.08 h102.36
Bottom Overlay, Bot Silk:
  text "BOTSILK" at 235.28,-54.92 h35
  text "040" at 8177.38,-4575.08 h102.36
  text "58.13.0094_040_Rev00" at 9252.38,-4575.08 h102.36
  text "02/02" at 12427.38,-4575.08 h102.36
Top Paste, Top Paste:
  lines w5: 5942.62,-3197.16 12950.5,-3197.16 ; 5942.62,-2960.94 12950.5,-2960.94 ; 5942.62,-2724.71 12950.5,-2724.71 ; 5942.62,-2488.49 12950.5,-2488.49
  lines w10: 5942.62,-2488.49 5942.62,-3354.64 12950.5,-3354.64 12950.5,-2488.49 ; 7359.94,-3354.64 7359.94,-2488.49 ; 7832.38,-3354.64 7832.38,-2488.49 ; 8856.01,-3354.64 8856.01,-2488.49 ; 9879.63,-3354.64 9879.63,-2488.49 ; 10903.25,-3354.64 10903.25,-2488.49 ; 11926.87,-3354.64 11926.87,-2488.49
  text "TOPPASTE" at 5.28,-54.92 h35
  text "EMISSAO INICIAL / FIRST ISSUE" at 6110.79,-3104.02 h51.18
  text "00" at 7557.64,-3104.02 h51.18
  text "D. Aguiar" at 8921.24,-3104.25 h51.18
  text "E. Rodrigues" at 9944.86,-3104.25 h51.18
  text "E. Rodrigues" at 10968.49,-3104.25 h51.18
  text "L. Degenhardt" at 11992.11,-3104.25 h51.18
  text "HISTORICO DA REVISAO / REVISION HISTORY" at 5979.29,-3304.8 h44.09
  text "REV." at 7530.08,-3304.8 h51.18
  text "DATA / DATE" at 8110.79,-3304.8 h51.18
  text "ELABORADO / ELABORATED" at 8882.44,-3304.8 h51.18
  text "VERIFICADO / CHECKED" at 9980.87,-3304.8 h51.18
  text "APROVADO / APPROVED" at 10984.8,-3304.8 h51.18
  text "QUALIDADE / QUALITY" at 12051.73,-3304.8 h51.18
  text "235" at 8176.38,-4570.08 h102.36
  text "58.13.0094_235_Rev00" at 9251.38,-4570.08 h102.36
  text "01/01" at 12426.38,-4570.08 h102.36
Top Solder, Top Mask:
  rectangle: 2.48,-139.92 336.38,-74.92
  lines w5: 2.48,-204.92 670.28,-204.92 ; 2.48,-140.08 670.28,-140.08 ; 336.38,-269.92 336.38,-74.92 ; 5942.62,-3197.16 12950.5,-3197.16 ; 5942.62,-2960.94 12950.5,-2960.94 ; 5942.62,-2724.71 12950.5,-2724.71 ; 5942.62,-2488.49 12950.5,-2488.49 ; 2.48,-269.92 2.48,-74.92 670.28,-74.92 670.28,-269.92 2.48,-269.92
  lines w10: 5942.62,-2488.49 5942.62,-3354.64 12950.5,-3354.64 12950.5,-2488.49 ; 7359.94,-3354.64 7359.94,-2488.49 ; 7832.38,-3354.64 7832.38,-2488.49 ; 8856.01,-3354.64 8856.01,-2488.49 ; 9879.63,-3354.64 9879.63,-2488.49 ; 10903.25,-3354.64 10903.25,-2488.49 ; 11926.87,-3354.64 11926.87,-2488.49
  text "TOPMASK" at 5.28,-54.92 h35
  text "VERNIZ" at 437.28,-188.92 h35
  text "VARNISH" at 415.53,-256.42 h35
  text "EMISSAO INICIAL / FIRST ISSUE" at 6110.79,-3104.02 h51.18
  text "00" at 7557.64,-3104.02 h51.18
  text "D. Aguiar" at 8921.24,-3104.25 h51.18
  text "E. Rodrigues" at 9944.86,-3104.25 h51.18
  text "E. Rodrigues" at 10968.49,-3104.25 h51.18
  text "L. Degenhardt" at 11992.11,-3104.25 h51.18
  text "HISTORICO DA REVISAO / REVISION HISTORY" at 5979.29,-3304.8 h44.09
  text "REV." at 7530.08,-3304.8 h51.18
  text "DATA / DATE" at 8110.79,-3304.8 h51.18
  text "ELABORADO / ELABORATED" at 8882.44,-3304.8 h51.18
  text "VERIFICADO / CHECKED" at 9980.87,-3304.8 h51.18
  text "APROVADO / APPROVED" at 10984.8,-3304.8 h51.18
  text "QUALIDADE / QUALITY" at 12051.73,-3304.8 h51.18
  text "012" at 8176.38,-4570.08 h102.36
  text "58.13.0094_012_Rev00" at 9251.38,-4570.08 h102.36
  text "01/02" at 12426.38,-4570.08 h102.36
Bottom Solder, Bot Mask:
  rectangle: 2.48,-140.08 336.38,-74.92
  lines w5: 2.48,-204.92 670.28,-204.92 ; 2.48,-139.92 670.28,-139.92 ; 336.38,-269.92 336.38,-74.92 ; 2.48,-269.92 2.48,-74.92 670.28,-74.92 670.28,-269.92 2.48,-269.92
  text "BOTMASK" at 235.28,-54.92 h35
  text "VERNIZ" at 592.17,-189.49 h35
  text "VARNISH" at 607.17,-254.49 h35
  text "012" at 8176.38,-4570.08 h102.36
  text "58.13.0094_012_Rev00" at 9251.38,-4570.08 h102.36
  text "02/02" at 12426.38,-4570.08 h102.36
Board:
  lines w5: 0,3936.93 0,0 3149.45,0 3149.45,3936.93 ; 0,3937.01 1801.18,3937.01 1801.18,3740.16 2391.73,3740.16 2391.73,3937.01 3149.45,3937.01
Folha:
  drawing of 200 lines, arcs and shapes, not listed
  text "DOCUMENTO DE ENGENHARIA DE PRODUTO / PRODUCT ENGINEERING DOCUMENT" at 8055.67,-3563.07 h86.61
  text "CODIGO / PN" at 8024.17,-3769.37 h55.12
  text "DESCRICAO / DESCRIPTION" at 9203.58,-3769.37 h55.12
  text "58.13.0094" at 8209.21,-4064.65 h102.36
  text "PLACA CIRCUITO IMPRESSO DEKVIT IOT" at 9232.83,-4064.65 h102.36
  text "DOC." at 8024.17,-4359.92 h55.12
  text "REV." at 8614.72,-4359.92 h55.12
  text "ARQUIVO / FILE" at 9203.6,-4359.92 h55.12
  text "ESC. / SCALE" at 11193.46,-4359.92 h55.12
  text "FORM. / SIZE" at 11799.76,-4359.92 h55.12
  text "FOLHA / PAGE" at 12370.63,-4359.92 h55.12
  text "00" at 8801.38,-4570.08 h102.36
  text "1:1" at 11388.35,-4590.83 h102.36
  text "A3" at 11959.21,-4592.99 h102.36
Barreira:
  lines w1: 19.69,19.69 19.69,3916 1781.5,3916 1781.5,3720.47 2411.42,3720.47 2411.42,3916.93 3129.76,3916.93 3129.76,19.69 19.69,19.69